# Altium PCB BC2087.PcbDoc (part 4 of 6)
Units mil, origin at the board's own origin, x right, y up, seen from the top; angles counter-clockwise.
Board outline 7401.57 x 1181.1 mil, 6 copper layers (Top Copper, Signal Layer 1, Signal Layer 2, Signal Layer 3, Signal Layer 4, Bottom Copper), stack 62.874 mil thick; 302 components, 237 nets, 1184 pads, 867 vias.
Unrouted connection lines stored in the file: 315.
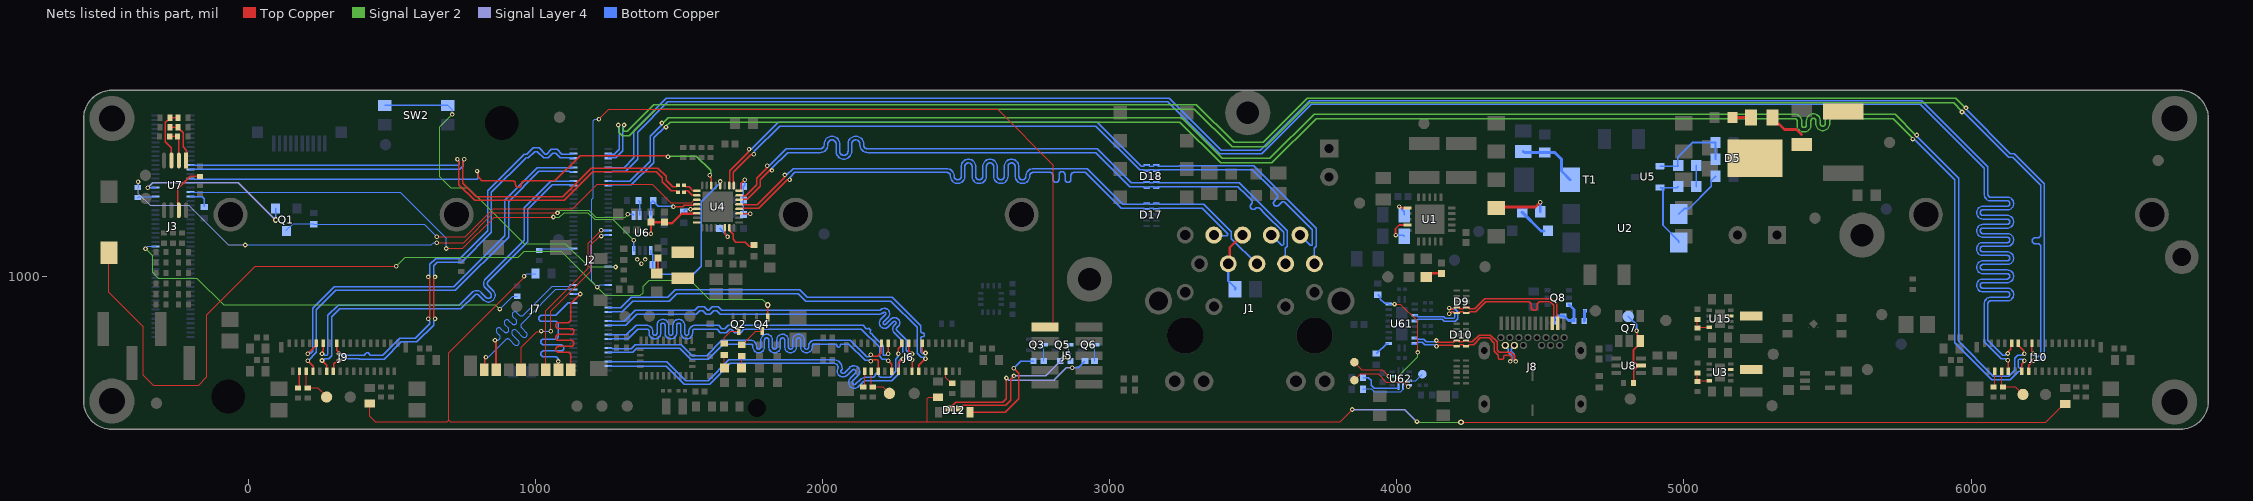
[diagram p8: the nets of this part, all layers, seen from the top]

## Via types
v1: diameter 20, hole 10, Top Copper to Bottom Copper, 273 vias
v2: diameter 16, hole 8, Top Copper to Bottom Copper, tented both sides, 243 vias
v3: diameter 15.98, hole 7.99, Top Copper to Bottom Copper, tented both sides, 201 vias
v4: diameter 18, hole 8, Top Copper to Bottom Copper, tented both sides, 70 vias
v5: diameter 16, hole 7.95, Top Copper to Bottom Copper, tented both sides, 36 vias
v6: diameter 20, hole 10, Top Copper to Bottom Copper, tented both sides, 26 vias
v7: diameter 16, hole 8, Top Copper to Bottom Copper, 17 vias
v8: diameter 19.68, hole 11.81, Top Copper to Bottom Copper, tented both sides, 1 vias

## Nets (pads, with @x,y where several pads share a name; then routed paths per layer and width w, separated by ;. In a path a pad name is that pad's centre, name@x,y a point inside that pad or via, vN(x,y) a via of type N, cw(c..) or ccw(c..) an arc to the next point about the centre after c; other vN are vias at no path point) (continued)
MD2_N: D17.5 D17.6 J1.6 U4.5 | length 2394.4
  Top Copper w5.12: U4.5@1708.96,1252.91 1719.55,1252.91 1721.03,1251.44 1771.68,1251.44 1867.87,1347.63 v3(1867.87,1355.2)
  Bottom Copper w5.12: v3(1867.87,1355.2) 1875.45,1355.2 1897.21,1376.96 2358.89,1376.96 2432.43,1376.96 cw(c2432.43,1351.77) 2457.62,1351.77 2457.62,1350.87 ccw(c2470.02,1350.87) 2470.02,1338.47 ccw(c2470.02,1350.87) 2482.42,1350.87 2482.42,1384.85 cw(c2507.61,1384.85) 2507.61,1410.04 cw(c2507.61,1384.85) 2532.8,1384.85 2532.8,1350.87 ccw(c2545.2,1350.87) 2545.2,1338.47 ccw(c2545.2,1350.87) 2557.61,1350.87 2557.61,1384.85 cw(c2582.8,1384.85) 2582.8,1410.04 cw(c2582.8,1384.85) 2607.99,1384.85 2607.99,1350.87 ccw(c2620.39,1350.87) 2620.39,1338.47 ccw(c2620.39,1350.87) 2632.79,1350.87 2632.79,1384.85 cw(c2657.98,1384.85) 2657.98,1410.04 cw(c2657.98,1384.85) 2683.18,1384.85 2683.18,1350.87 ccw(c2695.58,1350.87) 2695.58,1338.47 ccw(c2695.58,1350.87) 2707.98,1350.87 2707.98,1351.77 cw(c2733.17,1351.77) 2733.17,1376.96 2742.13,1376.96 2920.65,1376.96 3045.16,1252.46 3117.91,1252.46 3121.36,1255.91 D17.5@3128.54,1255.91 3135.73,1255.91 3139.18,1252.46 3150.78,1252.46 3154.23,1255.91 D17.6@3161.42,1255.91 3168.6,1255.91 3172.05,1252.46 3327.88,1252.46 3423.87,1156.47 3423.87,1133.42 3511.56,1045.73 J1.6@3512.6,1045.73
MD2_P: D17.4 D17.7 J1.3 U4.4 | length 2394.5
  Top Copper w5.12: U4.4@1708.96,1237.17 1719.55,1237.17 1721.03,1238.65 1776.98,1238.65 1876.92,1338.58 v3(1884.49,1338.58)
  Bottom Copper w5.12: v3(1884.49,1338.58) 1884.49,1346.16 1902.51,1364.17 2358.89,1364.17 2432.43,1364.17 cw(c2432.43,1351.77) 2444.83,1351.77 2444.83,1350.87 ccw(c2470.02,1350.87) 2470.02,1325.68 ccw(c2470.02,1350.87) 2495.21,1350.87 2495.21,1384.85 cw(c2507.61,1384.85) 2507.61,1397.25 cw(c2507.61,1384.85) 2520.01,1384.85 2520.01,1350.87 ccw(c2545.2,1350.87) 2545.2,1325.68 ccw(c2545.2,1350.87) 2570.4,1350.87 2570.4,1384.85 cw(c2582.8,1384.85) 2582.8,1397.25 cw(c2582.8,1384.85) 2595.2,1384.85 2595.2,1350.87 ccw(c2620.39,1350.87) 2620.39,1325.68 ccw(c2620.39,1350.87) 2645.58,1350.87 2645.58,1384.85 cw(c2657.98,1384.85) 2657.98,1397.25 cw(c2657.98,1384.85) 2670.39,1384.85 2670.39,1350.87 ccw(c2695.58,1350.87) 2695.58,1325.68 ccw(c2695.58,1350.87) 2720.77,1350.87 2720.77,1351.77 cw(c2733.17,1351.77) 2733.17,1364.17 2742.13,1364.17 2768.41,1364.17 2791.83,1364.17 cw(c2791.83,1353.74) 2802.26,1353.74 2802.26,1339.64 ccw(c2812.7,1339.64) 2812.7,1329.2 ccw(c2812.7,1339.64) 2823.13,1339.64 2823.13,1356.41 cw(c2833.56,1356.41) 2833.56,1366.85 cw(c2833.56,1356.41) 2844,1356.41 2844,1339.64 ccw(c2854.43,1339.64) 2854.43,1329.2 ccw(c2854.43,1339.64) 2864.86,1339.64 2864.86,1353.74 cw(c2875.3,1353.74) 2875.3,1364.17 2894.1,1364.17 2915.35,1364.17 3039.86,1239.67 3117.91,1239.67 3121.36,1236.22 D17.4@3128.54,1236.22 3135.73,1236.22 3139.18,1239.67 3150.78,1239.67 3154.23,1236.22 D17.7@3161.42,1236.22 3168.6,1236.22 3172.05,1239.67 3322.58,1239.67 3411.08,1151.17 3411.08,1146.93 3408.08,1143.93 3364.4,1143.93 J1.3@3362.6,1145.73
MD3_N: D18.2 D18.9 J1.8 U4.7 | length 2389.1
  Top Copper w5.12: U4.7@1708.96,1284.41 1719.55,1284.41 1721.03,1282.93 1732.17,1282.93 1770.14,1320.9 1770.14,1343.69 1806.52,1380.07 v3(1806.52,1387.64)
  Bottom Copper w5.12: v3(1806.52,1387.64) 1814.09,1387.64 1872.31,1445.86 1927.17,1445.86 1990.71,1445.86 ccw(c1990.71,1460.23) 2005.08,1460.23 2005.08,1463.14 cw(c2032.24,1463.14) 2032.24,1490.3 cw(c2032.24,1463.14) 2059.4,1463.14 2059.4,1437.55 ccw(c2073.77,1437.55) 2073.77,1423.18 ccw(c2073.77,1437.55) 2088.14,1437.55 2088.14,1463.14 cw(c2115.3,1463.14) 2115.3,1490.3 cw(c2115.3,1463.14) 2142.46,1463.14 2142.46,1460.23 ccw(c2156.83,1460.23) 2156.83,1445.86 2207.32,1445.86 2955.71,1445.86 3074.31,1327.26 3117.91,1327.26 3121.36,1330.71 D18.2@3128.54,1330.71 3135.73,1330.71 3139.18,1327.26 3150.78,1327.26 3154.23,1330.71 D18.9@3161.42,1330.71 3164.67,1330.71 3168.11,1327.26 3451.77,1327.26 3618.66,1160.37 3618.66,1107.4 3611.92,1100.65 3611.92,1046.41 J1.8@3612.6,1045.73
MD3_P: D18.1 D18.10 J1.7 U4.6 | length 2395.7
  Top Copper w5.12: U4.6@1708.96,1268.66 1719.55,1268.66 1721.03,1270.14 1737.47,1270.14 1782.93,1315.6 1782.93,1338.39 1815.56,1371.02 v3(1823.13,1371.02)
  Bottom Copper w5.12: v3(1823.13,1371.02) 1823.13,1378.6 1877.61,1433.07 1927.17,1433.07 1990.71,1433.07 ccw(c1990.71,1460.23) 2017.87,1460.23 2017.87,1463.14 cw(c2032.24,1463.14) 2032.24,1477.51 cw(c2032.24,1463.14) 2046.61,1463.14 2046.61,1437.55 ccw(c2073.77,1437.55) 2073.77,1410.38 ccw(c2073.77,1437.55) 2100.93,1437.55 2100.93,1463.14 cw(c2115.3,1463.14) 2115.3,1477.51 cw(c2115.3,1463.14) 2129.67,1463.14 2129.67,1460.23 ccw(c2156.83,1460.23) 2156.83,1433.07 2207.32,1433.07 2950.42,1433.07 3069.02,1314.47 3117.91,1314.47 3121.36,1311.02 D18.1@3128.54,1311.02 3135.73,1311.02 3139.18,1314.47 3150.78,1314.47 3154.23,1311.02 D18.10@3161.42,1311.02 3164.67,1311.02 3168.11,1314.47 3446.47,1314.47 3476.35,1284.59 3478.16,1282.78 3492.92,1268.03 cw(c3485.54,1260.65) 3492.92,1253.28 3492.7,1253.06 ccw(c3500.08,1245.68) 3492.7,1238.3 ccw(c3500.08,1245.68) 3507.45,1238.3 3507.67,1238.52 cw(c3515.05,1231.14) 3522.42,1238.52 3540.08,1220.86 3541.89,1219.05 3605.87,1155.07 3605.87,1112.69 3602.87,1109.7 3598.63,1109.7 J1.7@3562.6,1145.73 J1.7@3576.55,1145.73
MD4_N: D18.5 D18.6 J1.10 U4.10 | length 2453.9
  Top Copper w5.12: U4.10@1674.51,1318.86 1674.51,1329.45 1675.99,1330.93 1675.99,1369.15 1740.68,1433.84 1740.68,1441.41 v3(1743.52,1444.26)
  Bottom Copper w5.12: v3(1743.52,1444.26) 1745.6,1446.33 1753.18,1446.33 1845.22,1538.38 2956.74,1538.38 3108.81,1386.32 3117.91,1386.32 3121.36,1389.76 D18.5@3128.54,1389.76 3135.73,1389.76 3139.18,1386.32 3150.78,1386.32 3154.23,1389.76 D18.6@3161.42,1389.76 3164.67,1389.76 3168.11,1386.32 3242.07,1386.32 3242.56,1386.81 3501.36,1386.81 3718.66,1169.5 3718.66,1107.4 3711.92,1100.65 3711.92,1046.41 J1.10@3712.6,1045.73
MD4_P: D18.4 D18.7 J1.9 U4.9 | length 2449.8
  Top Copper w5.12: U4.9@1690.26,1318.86 1690.26,1329.45 1688.78,1330.93 1688.78,1363.85 1749.72,1424.79 1757.29,1424.79 v3(1760.14,1427.64)
  Bottom Copper w5.12: v3(1760.14,1427.64) 1762.22,1429.72 1762.22,1437.29 1850.52,1525.59 2951.45,1525.59 3103.51,1373.53 3117.91,1373.53 3121.36,1370.08 D18.4@3128.54,1370.08 3135.73,1370.08 3139.18,1373.53 3150.78,1373.53 3154.23,1370.08 D18.7@3161.42,1370.08 3164.67,1370.08 3168.11,1373.53 3247.37,1373.53 3247.86,1374.02 3496.06,1374.02 3565.45,1304.63 3567.26,1302.82 3582.02,1288.06 cw(c3574.64,1280.68) 3582.02,1273.31 3573.13,1264.42 ccw(c3580.51,1257.05) 3573.13,1249.67 ccw(c3580.51,1257.05) 3587.89,1249.67 3596.77,1258.55 cw(c3604.15,1251.18) 3611.53,1258.55 3640.61,1229.47 3642.42,1227.66 3705.87,1164.21 3705.87,1112.69 3702.87,1109.7 3698.63,1109.7 J1.9@3662.6,1145.73
MIPI_RX2_C_N: J2.95 J10.20 | length 6095.5
  Top Copper w5.12: J10.20@6200.93,671.88 6200.93,691.9 v2(6217.39,708.36)
  Signal Layer 2 w5.12: v5(1308,1529.07) 1305.4,1526.47 1305.4,1510.87 1308.4,1507.87 1318.9,1507.87 1411.31,1600.28 3301.29,1600.28 3432.94,1468.64 3534.64,1468.64 3687.94,1621.94 5946.39,1621.94 5979.62,1588.71 v2(5982.71,1588.71)
  Bottom Copper w5.12: J2.95@1252.95,1413.39 1253.94,1414.37 1266.14,1414.37 1266.64,1414.86 1279.71,1414.86 1303.98,1439.13 1303.98,1525.05 v5(1308,1529.07) ; v2(5982.71,1588.71) 5982.71,1583.61 6136.41,1429.9 6151.18,1429.9 6255.9,1325.19 6255.9,724.79 6240.32,709.21 6218.24,709.21 v2(6217.39,708.36)
MIPI_RX2_C_P: J2.97 J10.19 | length 6095.4
  Top Copper w5.12: J10.19@6212.45,768.34 6212.45,736.8 v2(6217.39,731.86)
  Signal Layer 2 w5.12: v5(1288,1529.07) 1289.76,1527.31 1289.76,1504.39 1301.92,1492.24 1325.38,1492.24 1417.78,1584.65 3294.81,1584.65 3426.46,1453 3541.12,1453 3694.41,1606.3 5939.92,1606.3 5968.57,1577.65 v2(5968.57,1574.57)
  Bottom Copper w5.12: J2.97@1252.95,1429.13 1253.94,1428.15 1266.14,1428.15 1266.64,1427.66 1274.41,1427.66 1291.19,1444.43 1291.19,1525.89 v5(1288,1529.07) ; v2(5968.57,1574.57) 5973.66,1574.57 6131.11,1417.11 6145.89,1417.11 6243.11,1319.89 6243.11,1170.28 6243.11,1146.85 cw(c6232.68,1146.85) 6232.68,1136.42 6223.78,1136.42 ccw(c6223.78,1125.98) 6213.35,1125.98 ccw(c6223.78,1125.98) 6223.78,1115.55 6232.68,1115.55 cw(c6232.68,1105.12) 6243.11,1105.12 6243.11,1084.47 6243.11,730.09 6235.02,722 6227.25,722 v2(6217.39,731.86)
MIPI_RX2_D0_N: J2.89 J10.26 | length 7120.3
  Top Copper w5.12: v2(6127.95,709.77) 6129.01,708.71 6129.01,672.94 J10.26@6130.07,671.88
  Bottom Copper w5.12: J2.89@1252.95,1366.14 1253.94,1367.13 1266.14,1367.13 1266.64,1367.62 1313.62,1367.62 1355.31,1409.31 1355.31,1504.63 1460.92,1610.24 3201.4,1610.24 3382.64,1429 3529,1429 3701.62,1601.62 5823.58,1601.62 6046.26,1378.93 6046.26,1296.26 6046.26,1287.31 ccw(c6068.5,1287.31) 6068.5,1265.07 6126.04,1265.07 cw(c6126.04,1255.62) 6126.04,1246.17 6041.34,1246.17 ccw(c6041.34,1223.93) 6041.34,1201.69 6126.04,1201.69 cw(c6126.04,1192.24) 6126.04,1182.79 6041.34,1182.79 ccw(c6041.34,1160.55) 6041.34,1138.31 6126.04,1138.31 cw(c6126.04,1128.87) 6126.04,1119.42 6041.34,1119.42 ccw(c6041.34,1097.18) 6041.34,1074.94 6126.04,1074.94 cw(c6126.04,1065.49) 6126.04,1056.04 6041.34,1056.04 ccw(c6041.34,1033.8) 6041.34,1011.56 6126.04,1011.56 cw(c6126.04,1002.11) 6126.04,992.67 6041.34,992.67 ccw(c6041.34,970.43) 6041.34,948.19 6126.04,948.19 cw(c6126.04,938.74) 6126.04,929.29 6068.5,929.29 ccw(c6068.5,907.05) 6046.26,907.05 6046.26,876.2 6046.26,773.84 6104.98,715.12 6118.57,715.12 6123.93,709.77 v2(6127.95,709.77)
MIPI_RX2_D0_P: J2.91 J10.25 | length 7122.3
  Top Copper w5.12: v2(6127.95,733.27) 6127.95,737.13 6138.52,747.7 6138.52,765.28 J10.25@6141.58,768.34
  Bottom Copper w5.12: J2.91@1252.95,1381.89 1253.94,1380.91 1266.14,1380.91 1266.64,1380.41 1308.32,1380.41 1342.52,1414.61 1342.52,1509.93 1455.62,1623.03 3206.7,1623.03 3387.93,1441.79 3523.7,1441.79 3696.32,1614.41 5828.87,1614.41 6059.06,1384.23 6059.06,1296.26 6059.06,1287.31 ccw(c6068.5,1287.31) 6068.5,1277.86 6126.04,1277.86 cw(c6126.04,1255.62) 6126.04,1233.38 6041.34,1233.38 ccw(c6041.34,1223.93) 6041.34,1214.48 6126.04,1214.48 cw(c6126.04,1192.24) 6126.04,1170 6041.34,1170 ccw(c6041.34,1160.55) 6041.34,1151.11 6126.04,1151.11 cw(c6126.04,1128.87) 6126.04,1106.63 6041.34,1106.63 ccw(c6041.34,1097.18) 6041.34,1087.73 6126.04,1087.73 cw(c6126.04,1065.49) 6126.04,1043.25 6041.34,1043.25 ccw(c6041.34,1033.8) 6041.34,1024.35 6126.04,1024.35 cw(c6126.04,1002.11) 6126.04,979.88 6041.34,979.88 ccw(c6041.34,970.43) 6041.34,960.98 6126.04,960.98 cw(c6126.04,938.74) 6126.04,916.5 6068.5,916.5 ccw(c6068.5,907.05) 6059.06,907.05 6059.06,876.2 6059.06,779.13 6110.28,727.91 6118.57,727.91 6123.93,733.27 v2(6127.95,733.27)
MIPI_RX2_D1_N: J2.83 J10.22 | length 6144.3
  Top Copper w5.12: J10.22@6177.31,671.88 6177.31,695.62 6186.02,704.33 v2(6186.02,708.36)
  Signal Layer 2 w5.12: v3(1454,1522) 1454,1524.73 1468.75,1539.48 3243.52,1539.48 3386,1397 3564.19,1397 3718.37,1551.18 5342.93,1551.18 5385.88,1551.18 cw(c5385.88,1542.72) 5394.34,1542.72 5394.34,1529.03 ccw(c5418.44,1529.03) 5418.44,1504.93 ccw(c5418.44,1529.03) 5442.55,1529.03 5442.55,1544.29 cw(c5451.01,1544.29) 5451.01,1552.76 cw(c5451.01,1544.29) 5459.48,1544.29 5459.48,1533.39 ccw(c5483.58,1533.39) 5483.58,1509.29 ccw(c5483.58,1533.39) 5507.68,1533.39 5507.68,1542.72 cw(c5516.14,1542.72) 5516.14,1551.18 5562.99,1551.18 5729.29,1551.18 5797.29,1483.18 v2(5797.29,1480.09)
  Bottom Copper w5.12: J2.83@1252.95,1318.9 1253.94,1319.88 1266.14,1319.88 1266.64,1320.38 1333.42,1320.38 1411.41,1398.36 1411.41,1454.86 1411.41,1484.16 1449.25,1522 v3(1454,1522) ; v2(5797.29,1480.09) 5802.39,1480.09 5943.9,1338.58 5943.9,770.29 6072.46,641.74 6137.19,641.74 6141.79,646.33 6164.78,669.33 cw(c6168.68,665.43) 6168.68,670.94 6170.9,670.94 ccw(c6170.9,676.45) 6170.9,681.97 ; 6170.87,681.97 cw(c6170.87,687.48) 6165.35,687.48 6165.35,699.35 6165.35,706.32 6165.35,710.72 6168.35,713.71 6177.72,713.71 6183.08,708.36 v2(6186.02,708.36)
MIPI_RX2_D1_P: J2.85 J10.23 | length 6140.3
  Top Copper w5.12: J10.23@6165.21,768.34 6165.21,761.45 6183.18,743.48 6183.18,734.71 v2(6186.02,731.86)
  Signal Layer 2 w5.12: v3(1439.87,1536.13) 1443.28,1536.13 1462.27,1555.12 3250,1555.12 3392.48,1412.64 3557.71,1412.64 3711.89,1566.82 5342.93,1566.82 5385.88,1566.82 cw(c5385.88,1542.72) 5409.98,1542.72 5409.98,1529.03 ccw(c5418.44,1529.03) 5418.44,1520.57 ccw(c5418.44,1529.03) 5426.91,1529.03 5426.91,1544.29 cw(c5451.01,1544.29) 5451.01,1568.39 cw(c5451.01,1544.29) 5475.11,1544.29 5475.11,1533.39 ccw(c5483.58,1533.39) 5483.58,1524.93 ccw(c5483.58,1533.39) 5492.04,1533.39 5492.04,1542.72 cw(c5516.14,1542.72) 5516.14,1566.82 5562.99,1566.82 5735.77,1566.82 5808.35,1494.24 v2(5811.44,1494.24)
  Bottom Copper w5.12: J2.85@1252.95,1334.65 1253.94,1333.66 1266.14,1333.66 1266.64,1333.17 1328.13,1333.17 1398.62,1403.66 1398.62,1489.46 1429.69,1520.52 1439.87,1530.7 v3(1439.87,1536.13) ; v2(5811.44,1494.24) 5811.44,1489.14 5956.69,1343.88 5956.69,775.59 6077.76,654.53 6131.89,654.53 6152.56,675.2 6152.56,694.05 6152.56,716.01 6162.92,726.38 6177.6,726.38 6183.08,731.86 v2(6186.02,731.86)
MIPI_RX3_C_N: J2.96 J9.20 | length 1402.2
  Top Copper w5.12: J9.20@295.42,671.88 297.32,673.78 297.32,697.81 300.94,701.43 303.58,701.43 310.93,708.78 v3(314.96,708.78) ; v3(649.61,854.33) 644.25,859.69 644.25,994.65 v3(649.61,1000)
  Bottom Copper w5.12: v3(314.96,708.78) 318.99,708.78 324.34,714.14 385.1,714.14 385.53,713.71 472.91,713.71 532.51,773.31 586.21,773.31 644.25,831.36 644.25,844.95 649.61,850.3 v3(649.61,854.33) ; v3(649.61,1000) 644.25,1005.35 644.25,1038.16 657.27,1051.18 741.72,1051.18 845.79,1155.25 845.79,1294.61 963.49,1412.31 966.05,1414.86 975,1414.86 996.43,1436.29 1006.43,1436.29 1027.85,1414.86 1043.15,1414.86 1059.77,1431.49 1069.77,1431.49 1086.4,1414.86 1098,1414.86 1118.01,1414.86 1118.5,1414.37 1130.71,1414.37 J2.96@1131.69,1413.39
MIPI_RX3_C_P: J2.98 J9.19 | length 1402.7
  Top Copper w5.12: J9.19@306.94,768.34 306.94,744.33 314.96,736.31 v3(314.96,732.28) ; v3(626.11,854.33) 631.46,859.69 631.46,994.65 v3(626.11,1000)
  Bottom Copper w5.12: v3(314.96,732.28) 318.99,732.28 324.34,726.93 391.29,726.93 391.71,726.5 400.59,726.5 403.15,726.5 407.05,730.4 407.05,732.18 410.95,736.08 416.14,736.08 420.04,732.18 420.04,730.4 423.94,726.5 437.41,726.5 467.61,726.5 527.21,786.1 580.91,786.1 631.46,836.65 631.46,844.95 626.11,850.3 v3(626.11,854.33) ; v3(626.11,1000) 631.46,1005.35 631.46,1043.46 651.97,1063.97 736.42,1063.97 833,1160.55 833,1299.91 960.75,1427.66 963.4,1427.66 969.7,1427.66 991.13,1449.08 1011.72,1449.08 1033.15,1427.66 1037.85,1427.66 1054.48,1444.28 1075.07,1444.28 1091.69,1427.66 1098,1427.66 1118.01,1427.66 1118.5,1428.15 1130.71,1428.15 J2.98@1131.69,1429.13
MIPI_RX3_D0_N: J2.90 J9.26 | length 1403.7
  Top Copper w5.12: v3(205.71,708.36) 224.55,689.51 J9.26@224.55,671.88
  Bottom Copper w5.12: v3(205.71,708.36) 207.47,708.36 236.39,737.28 236.39,886 303.15,952.76 720.47,952.76 905.79,1138.07 905.79,1262.11 1011.3,1367.62 1118.01,1367.62 1118.5,1367.13 1130.71,1367.13 J2.90@1131.69,1366.14
MIPI_RX3_D0_P: J2.92 J9.25 | length 1403.8
  Top Copper w5.12: v3(205.71,731.86) 206.48,731.86 236.07,761.45 J9.25@236.07,768.34
  Bottom Copper w5.12: v3(205.71,731.86) 207.49,733.64 215.85,733.64 223.6,741.4 223.6,891.3 297.85,965.55 715.17,965.55 893,1143.37 893,1267.41 1006,1380.41 1118.01,1380.41 1118.5,1380.91 J2.92@1130.71,1380.91
MIPI_RX3_D1_N: J2.84 J9.22 | length 1407.5
  Top Copper w5.12: v3(255.91,708.78) 271.8,692.89 J9.22@271.8,671.88
  Bottom Copper w5.12: v3(255.91,708.78) 259.93,708.78 265.29,714.14 278.88,714.14 289.37,724.63 289.37,861.05 317.1,888.78 733.05,888.78 739.18,888.78 787.01,936.61 cw(c794.38,929.24) 801.76,936.61 819.19,919.18 ccw(c835.61,935.6) 852.04,919.18 ccw(c835.61,935.6) 852.04,952.02 834.6,969.46 cw(c841.98,976.83) 834.6,984.21 840.94,990.54 972.79,1122.4 972.79,1236.14 1057.03,1320.38 1119.98,1320.38 1120.47,1319.88 1130.71,1319.88 J2.84@1131.69,1318.9
MIPI_RX3_D1_P: J2.86 J9.23 | length 1401.6
  Top Copper w5.12: v3(255.91,732.28) 258.75,735.13 258.75,741.69 259.69,742.63 J9.23@259.69,768.34
  Bottom Copper w5.12: v3(255.91,732.28) 259.93,732.28 265.29,726.93 273.58,726.93 276.58,729.93 276.58,866.35 311.81,901.57 720.26,901.57 733.88,901.57 777.96,945.66 cw(c794.38,929.24) 810.81,945.66 828.24,928.22 ccw(c835.61,935.6) 842.99,928.22 ccw(c835.61,935.6) 842.99,942.98 825.59,960.38 cw(c841.98,976.83) 825.56,993.25 831.89,999.59 960,1127.69 960,1241.44 1051.73,1333.17 1118.01,1333.17 1118.5,1333.66 1130.71,1333.66 J2.86@1131.69,1334.65
MIPI_RX4_C_N: J2.3 J6.20 | length 1332
  Top Copper w5.12: J6.20@2263.92,671.88 2263.92,698.6 v3(2279.53,714.2)
  Bottom Copper w5.12: J2.3@1252.95,688.98 1455.02,688.98 1517.75,626.25 1605.99,626.25 1609.74,630 1678.56,698.82 2022.43,698.82 2040.87,698.82 cw(c2037.28,681.91) 2054.46,683.86 ccw(c2070.77,671.83) 2056.44,657.5 ccw(c2070.77,671.83) 2085.11,657.5 2103.05,675.44 cw(c2108.31,670.13) 2113.6,675.42 cw(c2108.31,670.13) 2113.6,664.84 2095.71,646.95 ; 2095.68,646.92 ccw(c2110.02,632.59) 2095.68,618.26 ccw(c2110.02,632.59) 2124.35,618.26 2139.35,633.25 cw(c2151.55,621) 2151.59,638.29 2157.82,638.29 2240.05,638.29 2267,665.24 2267,708 2273.2,714.2 v3(2279.53,714.2)
MIPI_RX4_C_P: J2.5 J6.19 | length 1334
  Top Copper w5.12: v3(2263.78,731.86) 2263.78,749.78 2275.44,761.45 J6.19@2275.44,768.34
  Bottom Copper w5.12: J2.5@1252.95,704.72 1457.36,704.72 1523.04,639.04 1600.7,639.04 1673.27,711.61 2035.22,711.61 2042.07,711.61 2042.68,711.5 cw(c2037.28,681.91) 2067.36,681.65 2067.34,678.98 2065.46,677.1 ccw(c2070.77,671.83) 2065.48,666.55 ccw(c2070.77,671.83) 2076.06,666.55 2093.95,684.44 cw(c2108.31,670.13) 2122.64,684.46 cw(c2108.31,670.13) 2122.64,655.79 2104.7,637.85 ccw(c2110.02,632.59) 2104.73,627.3 ccw(c2110.02,632.59) 2115.31,627.3 2130.31,642.31 cw(c2151.55,621) 2151.55,651.08 ; 2151.58,651.08 2159.64,651.08 2173.23,651.08 2175.79,651.08 ccw(c2175.79,657.58) 2182.28,657.58 2182.28,658.22 cw(c2188.78,658.22) 2188.78,664.72 cw(c2188.78,658.22) 2195.28,658.22 2195.28,657.58 ccw(c2201.77,657.58) 2201.77,651.08 2218.5,651.08 2234.75,651.08 2254.21,670.54 2254.21,713.3 2263.78,722.87 v3(2263.78,731.86)
MIPI_RX4_D0_N: J2.9 J6.26 | length 1338.8
  Top Copper w5.12: v3(2167.32,705.83) 2170.26,705.83 2175.62,711.19 2190.06,711.19 2193.06,708.19 J6.26@2193.06,671.88
  Bottom Copper w5.12: J2.9@1252.95,736.22 1253.94,737.2 1266.14,737.2 1266.64,737.7 1337.89,737.7 1351.57,751.38 1502.23,751.38 1540.61,713 1601.09,713 1654.33,766.25 1712.45,766.25 1749.15,766.25 cw(c1749.15,758.77) 1756.63,758.77 1756.63,755.99 ccw(c1776.9,755.99) 1797.17,755.99 1797.17,780.12 cw(c1804.65,780.12) 1812.13,780.12 1812.13,755.99 ccw(c1832.4,755.99) 1852.68,755.99 1852.68,780.12 cw(c1860.16,780.12) 1867.64,780.12 1867.64,755.99 ccw(c1887.91,755.99) 1908.18,755.99 1908.18,780.12 cw(c1915.66,780.12) 1923.14,780.12 1923.14,755.99 ccw(c1943.41,755.99) 1963.68,755.99 1963.68,758.77 cw(c1971.16,758.77) 1971.16,766.25 1994.12,766.25 2030.51,766.25 2044.1,766.25 cw(c2044.1,760.73) 2049.61,760.73 ccw(c2055.12,760.73) 2060.63,760.73 cw(c2066.14,760.73) 2066.14,766.25 2086.61,766.25 2091.3,766.25 2148.54,709 2164.15,709 v3(2167.32,705.83)
MIPI_RX4_D0_P: J2.11 J6.25 | length 1338.7
  Top Copper w5.12: v3(2167.32,729.33) 2170.26,729.33 2175.62,723.98 2191.9,723.98 2204.58,736.65 J6.25@2204.58,768.34
  Bottom Copper w5.12: J2.11@1252.95,751.97 1253.94,750.98 1266.14,750.98 1266.64,750.49 1332.59,750.49 1346.27,764.17 1507.53,764.17 1545.91,725.79 1595.79,725.79 1649.04,779.04 1712.45,779.04 1749.15,779.04 cw(c1749.15,758.77) 1769.42,758.77 1769.42,755.99 ccw(c1776.9,755.99) 1784.38,755.99 1784.38,780.12 cw(c1804.65,780.12) 1824.92,780.12 1824.92,755.99 ccw(c1832.4,755.99) 1839.89,755.99 1839.89,780.12 cw(c1860.16,780.12) 1880.43,780.12 1880.43,755.99 ccw(c1887.91,755.99) 1895.39,755.99 1895.39,780.12 cw(c1915.66,780.12) 1935.93,780.12 1935.93,755.99 ccw(c1943.41,755.99) 1950.89,755.99 1950.89,758.77 cw(c1971.16,758.77) 1971.16,779.04 1994.12,779.04 2096.59,779.04 2153.63,722 2159.99,722 v3(2167.32,729.33)
MIPI_RX4_D1_N: J2.15 J6.22 | length 1334.9
  Top Copper w5.12: v3(2228.35,708.36) 2240.3,696.4 J6.22@2240.3,671.88
  Bottom Copper w5.12: J2.15@1252.95,783.46 1253.94,784.45 1266.14,784.45 1266.64,784.94 1321.73,784.94 1355.12,818.33 1360.65,818.33 1387.61,818.33 cw(c1387.61,810.85) 1395.09,810.85 1395.09,804.15 ccw(c1415.36,804.15) 1435.63,804.15 1435.63,831.86 cw(c1443.11,831.86) 1450.59,831.86 1450.59,804.15 ccw(c1470.86,804.15) 1491.13,804.15 1491.13,831.86 cw(c1498.61,831.86) 1506.09,831.86 1506.09,804.15 ccw(c1526.36,804.15) 1546.63,804.15 1546.63,810.85 cw(c1554.11,810.85) 1554.11,818.33 1563.07,818.33 1621.44,818.33 1631.8,818.33 1643.8,806.33 1664.4,806.33 1676.4,818.33 1681.1,818.33 1693.1,806.33 1713.69,806.33 1725.69,818.33 1732,818.33 2135.03,818.33 2197.84,755.53 2197.84,723.25 2207.38,713.71 2220.05,713.71 2225.41,708.36 v3(2228.35,708.36)
MIPI_RX4_D1_P: J2.17 J6.23 | length 1338.4
  Top Copper w5.12: J6.23@2228.2,768.34 2228.27,768.26 v3(2228.35,731.86) v3(2228.35,731.86)
  Bottom Copper w5.12: J2.17@1252.95,799.21 1253.94,798.23 1266.14,798.23 1266.64,797.73 1316.43,797.73 1349.83,831.12 1360.65,831.12 1387.61,831.12 cw(c1387.61,810.85) 1407.88,810.85 1407.88,804.15 ccw(c1415.36,804.15) 1422.84,804.15 1422.84,831.86 cw(c1443.11,831.86) 1463.38,831.86 1463.38,804.15 ccw(c1470.86,804.15) 1478.34,804.15 1478.34,831.86 cw(c1498.61,831.86) 1518.88,831.86 1518.88,804.15 ccw(c1526.36,804.15) 1533.84,804.15 1533.84,810.85 cw(c1554.11,810.85) 1554.11,831.12 1563.07,831.12 1621.44,831.12 1637.1,831.12 1649.1,819.12 1659.1,819.12 1671.1,831.12 1686.4,831.12 1698.4,819.12 1708.4,819.12 1720.4,831.12 1732,831.12 2140.33,831.12 2149.44,822.02 2151.25,820.21 ccw(c2154.87,823.83) 2158.49,820.21 cw(c2160.05,818.65) 2161.61,820.21 2166.28,815.53 cw(c2164.72,813.97) 2166.28,812.41 ccw(c2169.9,808.79) 2166.28,805.17 2172.01,799.45 2173.81,797.64 2210.63,760.83 2210.63,728.55 2212.68,726.5 2220.05,726.5 2225.41,731.86 v3(2228.35,731.86)
MIPI_RX5_D0_N: J2.21 J6.16 | length 1333.7
  Top Copper w5.12: J6.16@2311.17,671.88 v3(2311.17,711.52)
  Bottom Copper w5.12: J2.21@1252.95,830.71 1253.94,831.69 1266.14,831.69 1266.63,832.18 1278.2,832.18 1314.2,832.18 1352.59,870.57 1548,870.57 1559.6,870.57 1571.6,882.57 1581.6,882.57 1593.6,870.57 1608.9,870.57 1620.9,882.57 1630.9,882.57 1642.9,870.57 1686.4,870.57 2144.2,870.57 2197.84,870.57 ccw(c2197.84,888.88) 2210.78,875.93 cw(c2214.68,872.04) 2218.58,875.93 cw(c2214.68,872.04) 2218.58,868.14 2202.9,852.47 ccw(c2215.84,839.52) 2228.79,826.58 2246.28,844.08 cw(c2250.18,840.18) 2254.07,844.08 cw(c2250.18,840.18) 2254.07,836.28 ; 2254.05,836.26 2249.05,831.26 ccw(c2261.99,818.32) 2249.05,805.37 2272.22,782.2 2278.33,776.09 2278.33,739.24 2304.29,713.28 2311,713.28 2311,712 2311.17,711.83 v3(2311.17,711.52)